# Altium PCB NewBee.PcbDoc (continued)
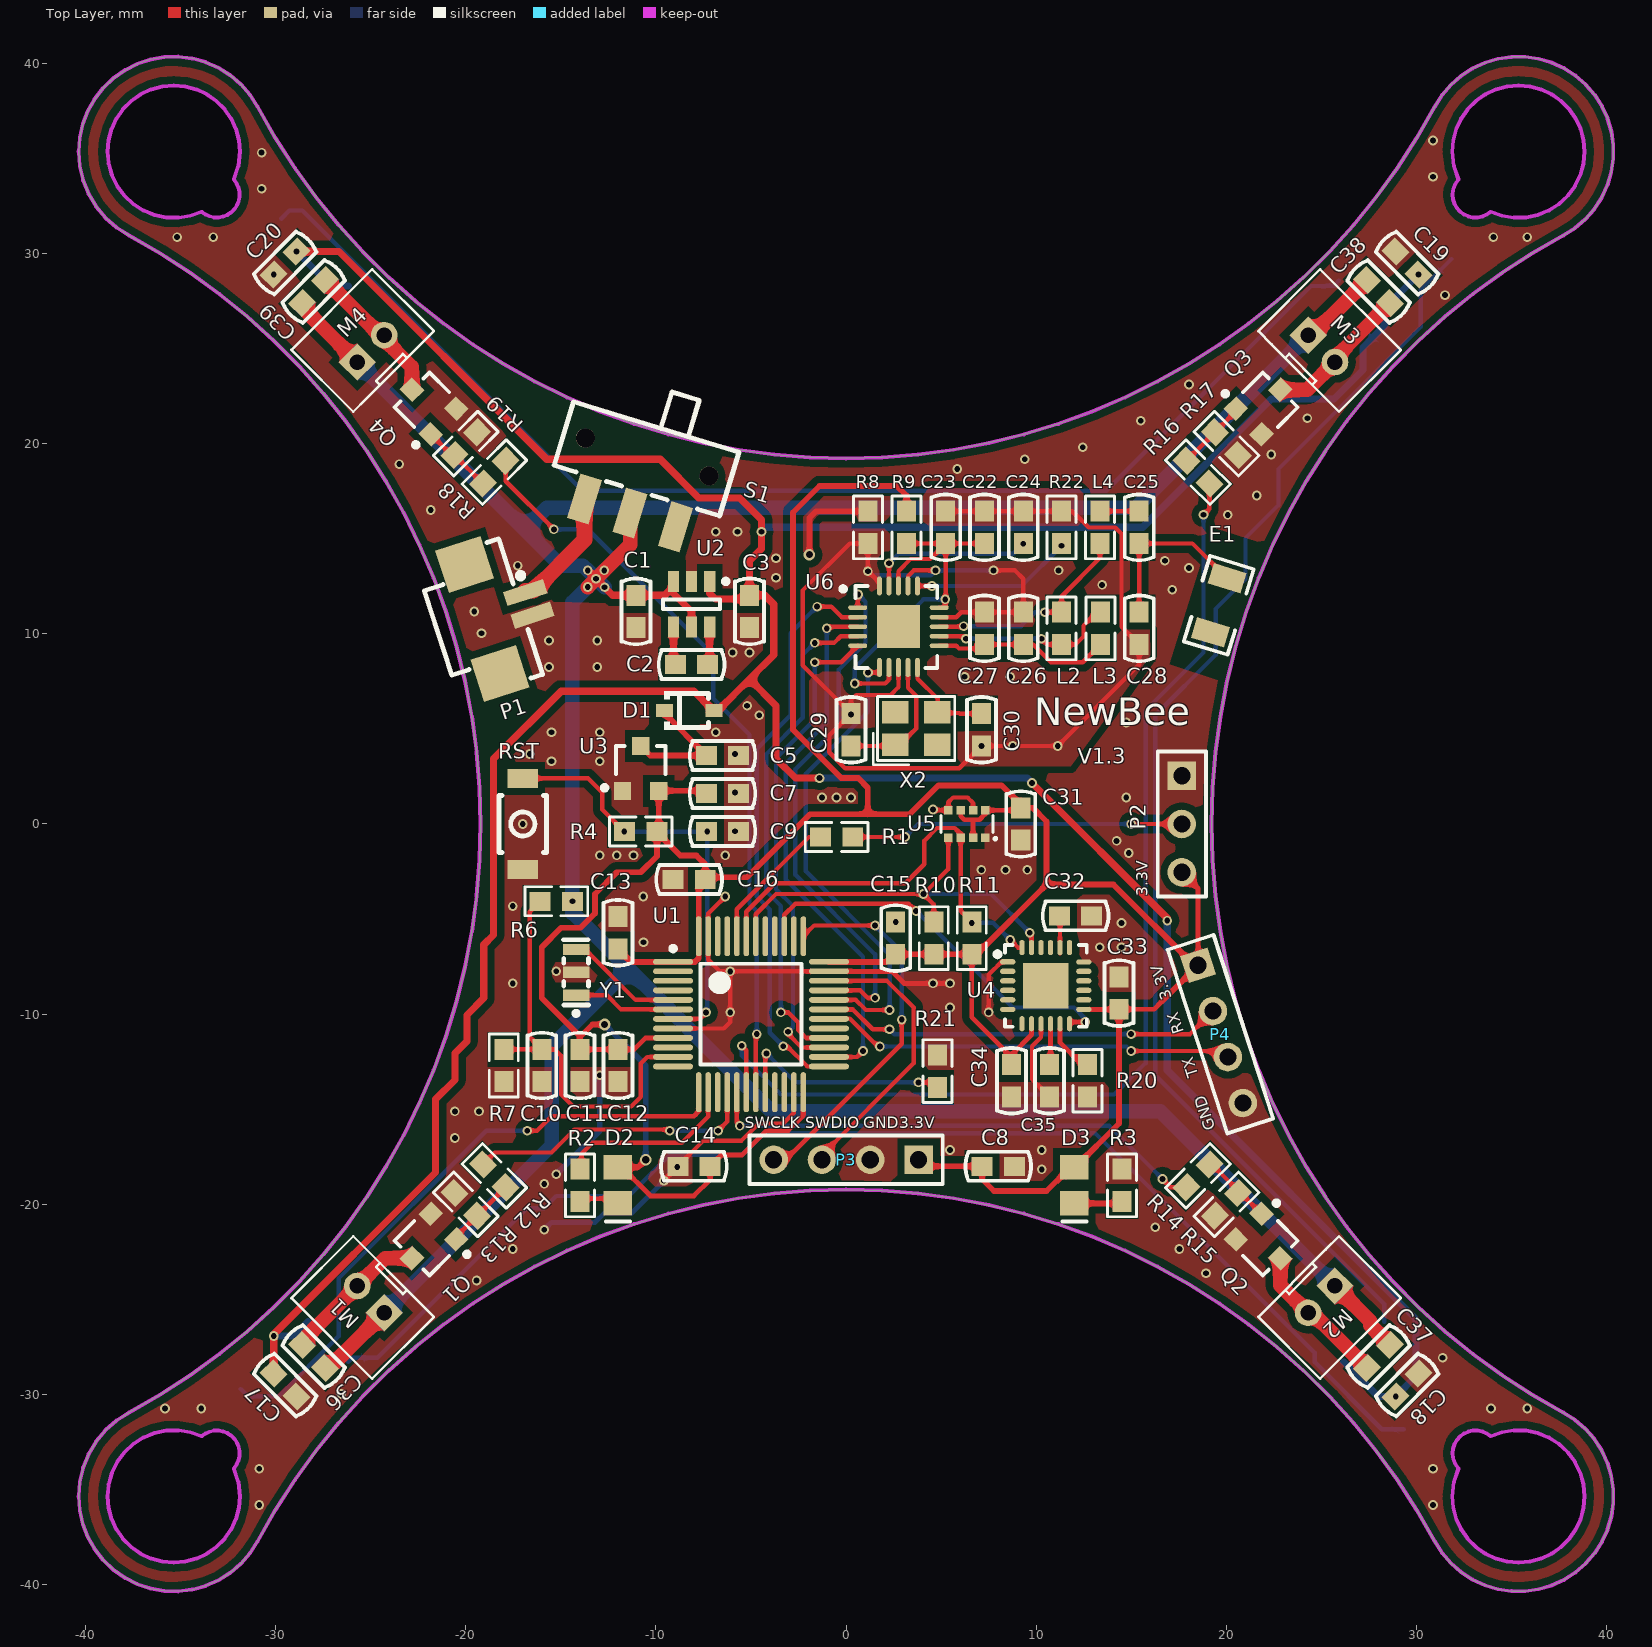
[diagram p0: Top Layer view]
## Part data
C1 C2 C3 C5 C7 C8 C9 C10 C11 C12 C13 C14 C15 C16 C17 C18 C19 C20 C22 C23 C24 C25 C26 C27 C28 C29 C30 C31 C32 C33 C34 C35 C36 C37 C38 C39: library part Cap-S, "贴片瓷片电容"
D1: library part Diode-Schottky, "肖特基二极管"
D2 D3: "发光二极管"
D4 D5 D6 D7: "WS2812B 4脚RGB全彩LED"
E1: "2.4G Antenna"
L2 L3 L4: "电感"
M1 M2 M3 M4: library part "Header 2", "接插件"
P1 P2 P3 P4: "接插件"
Q1 Q2 Q3 Q4: "N沟道贴片"
R1 R2 R3 R4 R6 R7 R8 R9 R10 R11 R12 R13 R14 R15 R16 R17 R18 R19 R20 R21 R22: library part Res1, "贴片电阻"
RST: "微动开关"
S1: library part SW-SPDT, "开关"
U1: "STM32F103, 48引脚, 64Kb Flash, 20Kb SRAM"
U2: library part PW5410A/B, "5V/3.3V升压芯片"
U3: library part XC6206, "稳压芯片"
U5: library part FBM320, "气压计"
U6: library part nRF24L01
X2: library part XTAL-4PIN
Y1: library part XTAL-3PIN, "贴片晶振"

## Via types
v1: diameter 0.508, hole 0.305, Top Layer to Bottom Layer, tented both sides, 182 vias
v2: diameter 0.61, hole 0.381, Top Layer to Bottom Layer, tented both sides, 3 vias

## Nets (pads, with @x,y where several pads share a name; then routed paths per layer and width w, separated by ;. In a path a pad name is that pad's centre, name@x,y a point inside that pad or via, vN(x,y) a via of type N, cw(c..) or ccw(c..) an arc to the next point about the centre after c; other vN are vias at no path point)
3.3V: C7.1 C8.1 C11.2 C12.2 C13.2 C14.1 C15.2 C16.2 C31.2 C33.2 C34.2 D2.1 D3.1 P2.3 P3.1 P4.1 R4.2 R9.2 R10.1 R11.1 U1.1 U1.9 U1.24 U1.36 U1.48 U3.2 U4.8 U4.13 U5.2 U5.6 U5.8 | length 182.4
  Top Layer w0.254: C11.2 C12.2 -11.141,-11.85 -10.541,-11.25 U1.9 ; D2.1 -11.795,-18.05 -10.287,-19.558 -8.001,-19.558 -7.15,-18.707 C14.1 -6.549,-17.399 -5.461,-17.399 -4.204,-16.142 -3.061,-16.142 -2.25,-15.331 U1.24 ; U5.6 6.025,0.419 6.223,0.221 7.016,0.221 7.325,0.53 U5.8 9.059,0.725 C31.2 ; R11.1 6.61,-10.166 8.7,-12.256 C34.2 8.7,-12.128 9.75,-11.078 U4.8@9.75,-10.8 ; U5.2 6.675,0.133 ; U4.13 14.341,-9.75 C33.2 16.193,-9.74 16.586,-9.347 ; P2.3 18.508,-3.395 P4.1
  Top Layer w0.305: v2(-12.7,-10.541) -13.335,-10.541 -14,-11.206 C11.2 -14,-11.146 -16.002,-9.144 -16.002,-6.477 -14.986,-5.461 -13.97,-5.461 -13.208,-4.699 -13.208,-3.683 -12.065,-2.54 -10.795,-2.54 -9.95,-1.695 R4.2@-9.95,-0.425 ; C13.2 -11.315,-7.25 U1.1 -7.94,-7.25 -7.75,-7.06 U1.48 -7.75,-3.2 C16.2@-7.405,-2.855 ; D2.1@-11.795,-18.05 -10.938,-18.05 v2(-10.541,-17.653) ; R4.2 R4.2@-9.95,-0.425 ; C16.2 C16.2@-7.405,-2.855 ; C7.1 -7.496,1.746 U3.2 -9.85,-0.325 R4.2@-9.95,-0.425 ; U1.36 2.109,-7.25 C15.2@2.667,-6.692 ; C15.2 R10.1 R11.1 6.866,-6.85 10.541,-3.175 ; R9.2 3.179,17.268 2.667,17.78 -1.397,17.78 -2.794,16.383 -2.794,4.953 -0.254,2.413 0.635,2.413 1.143,1.905 1.143,0.508 ; P3.1@3.81,-17.5 4.31,-18 C8.1 7.15,-18.673 7.781,-19.304 10.541,-19.304 11.795,-18.05 D3.1 12.049,-18.05 14.351,-15.748 C33.2@14.351,-9.75 ; C31.2 C31.2@9.35,0.85 ; 16.586,-9.347 P4.1 18.304,-7.425 14.054,-3.175 10.541,-3.175 ; R4.2@-9.95,-0.425 -8.724,-1.651 -7.874,-1.651 -7.405,-2.12 C16.2@-7.405,-2.855 ; C16.2@-7.405,-2.855 -7.35,-2.8 -5.213,-2.8 -1.905,0.508 1.143,0.508 ; 1.143,0.508 3.33,0.508 4.854,2.032 8.168,2.032 C31.2@9.35,0.85 ; C31.2@9.35,0.85 9.818,0.85 10.541,0.127 10.541,-3.175
  Bottom Layer w0.305: v2(-12.7,-10.541) -10.541,-12.7 v2(-10.541,-17.653)
5V: C3.2 C17.1 C18.1 C19.1 C20.1 D1.1 D4.1 D5.1 D6.1 D7.1 U2.1 | length 206.9
  Top Layer w0.381: C17.1 -29.972,-28.77 -30.099,-28.643 v1(-30.099,-26.924) -30.099,-26.838 -21.59,-18.329 -21.59,-14.478 -20.57,-13.458 -20.57,-12.061 -19.939,-11.43 -19.939,-10.041 -19.05,-9.152 -19.05,-6.35 -18.542,-5.842 -18.542,3.429 -14.986,6.985 -8.001,6.985 -6.985,5.969 D1.1 ; v1(-28.899,30.101) -26.672,30.101 -15.748,19.177 -9.779,19.177 -7.747,17.145 -5.588,17.145 -4.445,16.002 v1(-4.445,15.367) -4.445,14.478 -5.08,13.843 C3.2 ; U2.1 -7.178,12.131 -6.873,11.826 -5.28,11.826 C3.2 ; D1.1@-6.955,6 -6.7,6 -5.08,7.62 ; v1(-1.397,2.413) -2.667,2.413 -3.683,3.429 -3.683,6.223 -5.08,7.62 ; v1(9.779,2.159) 16.891,-4.953 v1(16.891,-5.08) ; -5.08,7.62 -3.81,8.89 -3.81,11.557 -4.279,12.026 C3.2
  Bottom Layer w0.381: v1(-30.099,-26.924) -29.045,-26.924 D4.1 ; v1(-28.899,30.101) -27.091,28.293 D7.1 ; v1(-4.445,15.367) -4.212,15.6 15.6,15.6 22.352,22.352 25.654,22.352 27.178,23.876 27.178,25.057 D6.1 28.293,27.091 v1(30.101,28.899) ; v1(-1.397,2.413) 9.525,2.413 v1(9.779,2.159) ; v1(16.891,-5.08) 16.891,-12.954 29.972,-26.035 29.972,-29.028 v1(28.899,-30.101) 27.98,-30.101 D5.1
BOOT0: R1.1 U1.44 | length 7.4
  Top Layer w0.229: U1.44 -5.75,-4.48 -1.953,-0.683 R1.1
GND: C1.1 C3.1 C5.2 C7.2 C8.2 C9.2 C10.1 C11.1 C12.1 C13.1 C14.2 C15.1 C16.1 C17.2 C18.2 C19.2 C20.2 C31.1 C32.1 C33.1 C34.1 C35.2 D4.3 D5.3 D6.3 D7.3 P1.2 P2.1 P3.2 P4.4 Q1.2 Q2.2 Q3.2 Q4.2 R3.1 R7.2 R8.2 R13.1 R15.1 R17.1 R19.1 R20.1 R21.2 RST.2 U1.8 U1.23 U1.35 U1.47 U2.2 U3.1 U4.1 U4.9 U4.18 U5.1 U5.5 U5.7 Y1.2 | length 61.5
  Top Layer w0.229: U1.8 -6.432,-10.75 -6.096,-10.414 v1(-6.096,-7.75) ; C14.2 -7.5,-16.65 -5.5,-16.65 -5.08,-16.23 -4.598,-15.748 -3.302,-15.748 -2.75,-15.196 U1.23 ; v1(-6.35,-3.81) -7.25,-4.71 U1.47 -7.25,-7.133 -6.633,-7.75 v1(-6.096,-7.75) ; v1@-6.096,-7.747 v1(-6.096,-7.75) ; v1@-5.969,-7.75 U1.35@-1.09,-7.75 ; v1(4.572,0.762) 4.609,0.725 U5.5 5.375,1.144 5.628,1.397 6.39,1.397 6.675,1.112 U5.7 ; v1(7.493,-9.906) 7.493,-7.922 8.165,-7.25 U4.1 ; U4.9 10.25,-11.213 9.779,-11.684 9.779,-13.429 C35.2
  Top Layer w0.254: v1(-9.574,-18.762) -9.574,-18.724 C14.2 ; U1.35@-1.09,-7.75 U1.35 2.413,-7.75 3.045,-8.382 v1(4.572,-8.382) v1(5.461,-8.382)
  Top Layer w0.305: v2(-1.929,14.166) -1.929,16.105 -1.584,16.45 R8.2
  Bottom Layer w0.254: v1(-15.875,-21.336) -15.494,-20.955 -13.208,-20.955 -12.7,-20.447 -11.259,-20.447 v1(-9.574,-18.762)
  Bottom Layer w0.305: v1(-15.24,-18.415) -12.954,-16.129 v1(-12.954,-13.208)
  other v1: -30.861,-35.814 30.861,-35.814 -30.861,-33.909 30.861,-33.909 -35.814,-30.734 -33.909,-30.734 33.909,-30.734 35.814,-30.734 -26.543,-29.972 31.369,-28.067 -19.431,-24.003 18.923,-23.622 -17.526,-22.352 17.526,-22.352 16.256,-21.209 -15.875,-18.923 10.287,-18.161 -8.884,-18.034 5.461,-17.145 10.287,-17.145 -20.574,-16.51 -20.574,-15.113 -19.304,-15.113 -6.096,-9.906 5.461,-9.652 -17.526,-8.382 -15.24,-7.747 13.335,-6.477 14.478,-6.477 -10.65,-6.223 14.478,-5.207 2.61,-5.15 -17.526,-4.318 -10.668,-3.81 7.112,-2.413 8.382,-2.413 9.525,-2.413 -12.954,-1.651 -12.065,-1.651 -11.176,-1.651 -6.35,-1.651 14.859,-1.524 14.224,-0.889 -5.842,-0.381 -17,0 -1.27,1.397 -0.508,1.397 0.254,1.397 14.732,1.397 -5.842,1.651 -15.494,3.302 -12.954,3.302 -16.637,3.683 -5.842,3.683 -15.494,4.826 -12.954,4.826 -6.858,4.826 14.732,5.334 -4.572,5.715 -5.207,6.223 -15.621,8.255 -13.081,8.255 -5.969,9.017 -5.08,9.017 -15.621,9.652 -13.081,9.652 -19.177,10.033 -19.558,11.176 17.145,12.319 -3.683,12.954 18.034,13.462 -17.272,13.589 16.764,13.843 -3.683,13.97 -6.858,15.367 -5.715,15.367 20.066,16.256 -21.844,16.51 21.59,17.272 5.842,18.669 -23.495,18.923 9.398,19.177 22.352,19.431 12.446,19.812 15.494,21.209 24.257,21.336 18.034,23.114 31.496,27.813 -30.101,28.899 -35.179,30.861 -33.274,30.861 34.036,30.861 35.814,30.861 -30.734,33.401 30.861,34.036 -30.734,35.306 30.861,35.941
INT: U1.39 U4.12 | length 20.7
  Top Layer w0.229: U1.39 -3.25,-4.774 -2.667,-4.191 3.286,-4.191 3.675,-4.58 v1(3.683,-4.572) ; U4.12 11.836,-10.414 v1(12.573,-10.414)
  Bottom Layer w0.229: v1(3.683,-4.572) 8.763,-9.652 11.982,-9.652 12.573,-10.243 v1(12.573,-10.414)
LED: R2.1 U1.14 | length 9.6
  Top Layer w0.229: R2.1 -13.916,-18.066 -13.916,-17.345 -13.335,-16.764 -8.636,-16.764 -7.25,-15.378 U1.14
MISO: U1.27 U6.5 | length 25.9
  Top Layer w0.229: v1(-3.048,-10.922) -3.048,-11.049 -2.347,-11.75 U1.27 ; v1(-1.651,8.509) -0.255,8.509 U6.5
  Bottom Layer w0.229: v1(-3.048,-10.922) -2.794,-10.668 -2.794,-4.318 -3.683,-3.429 -3.683,3.457 -1.651,5.489 v1(-1.651,8.509)
MOSI: U1.28 U6.4 | length 26.5
  Top Layer w0.229: v1(-3.429,-9.906) -3.048,-9.906 -2.527,-10.427 -2.527,-10.833 -2.299,-11.062 -2.111,-11.25 U1.28 ; v1(-1.651,9.525) -0.635,9.525 -0.285,9.875 U6.4
  Bottom Layer w0.229: v1(-3.429,-9.906) -3.429,-4.318 -4.191,-3.556 -4.191,3.683 -2.286,5.588 -2.286,8.89 v1(-1.651,9.525)
NetC2_1: C2.1 U2.6 | length 2
  Top Layer w0.381: C2.1 -7.178,8.482 U2.6
NetC2_2: C2.2 U2.4 | length 2
  Top Layer w0.381: U2.4 -9.078,8.482 C2.2
NetC5_1: C5.1 D1.2 U3.3 | length 6.9
  Top Layer w0.305: U3.3 -10.304,3.6 C5.1 -9.555,5.805 D1.2
NetC24_1: C24.1 U6.19 | length 8.7
  Top Layer w0.229: U6.19 v1(2.254,13.708)
  Bottom Layer w0.229: v1(2.254,13.708) 2.754,14.208 8.792,14.208 v1(9.316,14.732)
NetC25_1: C25.1 C28.2 E1.1 | length 9
  Top Layer w0.229: C28.2 15.411,12.921 C25.1 18.211,14.75 E1.1
NetC25_2: C25.2 L4.2 | length 2.1
  Top Layer w0.229: L4.2 C25.2
NetC26_1: C26.1 C27.1 L3.1 U6.11 | length 9.5
  Top Layer w0.229: U6.11 5.786,9.375 5.936,9.225 6.828,9.225 6.828,9.439 C27.1 C26.1 9.838,9.439 10.775,8.501 12.439,8.501 L3.1
NetC29_2: C29.2 U6.9 X2.1 | length 7.2
  Top Layer w0.229: C29.2 2.766,4.105 3.683,5.021 3.683,6.731 3.254,7.16 U6.9
NetC30_2: C30.2 U6.10 X2.3 | length 5.1
  Top Layer w0.229: U6.10 3.754,7.642 4.825,6.571 4.825,5.839 5.951,5.839 5.986,5.805 C30.2
NetC32_2: C32.2 U4.20 | length 2
  Top Layer w0.229: C32.2 11.25,-4.861 U4.20@11.25,-6.8
NetC35_1: C35.1 U4.10 | length 1.9
  Top Layer w0.254: C35.1 10.75,-12.6 U4.10@10.75,-10.8
NetC36_2: C36.2 M1.2 Q1.3 | length 7.8
  Top Layer w0.762: C36.2 -28.601,-27.187 M1.2 -24.245,-22.831 Q1.3
NetC37_2: C37.2 M2.2 Q2.3 | length 7.8
  Top Layer w0.762: Q2.3 22.831,-24.245 M2.2 24.505,-25.707 C37.2
NetC38_2: C38.2 M3.2 Q3.3 | length 7.8
  Top Layer w0.229: M3.2 M3.2@25.707,24.505
  Top Layer w0.762: Q3.3 24.245,22.831 M3.2 ; M3.2@25.707,24.505 C38.2
NetC39_2: C39.2 M4.2 Q4.3 | length 7.7
  Top Layer w0.762: C39.2 -22.831,24.033 Q4.3
NetD2_2: D2.2 R2.2 | length 2.4
  Top Layer w0.229: R2.2@-14.351,-19.558 -14.351,-19.698 -12.341,-19.698 -12.419,-19.776 D2.2@-12.419,-19.95
NetD3_2: D3.2 R3.2 | length 2.5
  Top Layer w0.305: D3.2 14.4,-19.95 R3.2
NetD4_2: D4.2 D5.4 | length 67.2
  Bottom Layer w0.229: D4.2 -25.946,-28.067 -24.638,-28.067 -16.778,-20.207 -15.889,-20.207 -15.24,-19.558 -11.43,-19.558 -9.271,-17.399 -5.461,-17.399 -4.318,-16.256 13.081,-16.256 24.638,-27.813 24.638,-28.295 28.171,-31.828 D5.4@29.326,-31.828
NetD5_2: D5.2 D6.4 | length 67.3
  Bottom Layer w0.229: D5.2 28.293,-25.245 16.256,-13.208 16.256,5.715 19.431,8.89 19.431,11.303 21.006,12.878 21.006,15.037 22.738,16.769 22.738,18.669 30.226,26.157 30.226,28.105 D6.4
NetD6_2: D6.2 D7.4 | length 66.6
  Bottom Layer w0.229: D7.4 -29.278,32.258 -28.601,32.258 -13.869,17.526 13.683,17.526 24.45,28.293 25.791,28.293 25.791,28.451 D6.2@25.902,28.562
NetL2_1: L2.1 L4.1 U6.13 | length 11.2
  Top Layer w0.229: U6.13 6.149,10.375 v1(6.18,10.406) ; v1(10.451,11.139) L2.1 11.334,11.979 13.352,13.997 L4.1
  Bottom Layer w0.229: v1(6.18,10.406) 9.203,10.406 9.935,11.139 v1(10.451,11.139)
NetL2_2: L2.2 L3.2 U6.12 | length 9.7
  Top Layer w0.229: U6.12 6.178,9.875 v1(6.307,9.746) ; v1(10.267,9.746) 10.574,9.439 L2.2 12.063,9.439 12.482,9.857 12.482,10.432 13.189,11.139 L3.2
  Bottom Layer w0.229: v1(6.307,9.746) v1(10.267,9.746)
NetP1_1: P1.1 S1.1 | length 6.4
  Top Layer w0.813: P1.1@-16.878,12.258 -16.444,12.258 -13.754,14.948 S1.1
NetP2_2: P2.2 R1.2 | length 17.6
  Top Layer w0.229: R1.2 v1(3.096,-0.683) ; v1(14.986,0) P2.2
  Bottom Layer w0.229: v1(3.096,-0.683) 3.779,0 v1(14.986,0)
NetQ1_1: Q1.1 R12.2 R13.2 | length 3.9
  Top Layer w0.229: Q1.1@-20.439,-21.841 Q1.1 -20.497,-21.699 R13.2 R12.2
NetQ2_1: Q2.1 R14.2 R15.2 | length 3.8
  Top Layer w0.229: R14.2 19.242,-17.899 Q2.1
NetQ3_1: Q3.1 R16.2 R17.2 | length 3.8
  Top Layer w0.229: R16.2 20.497,21.699 Q3.1
NetQ4_1: Q4.1 R18.2 R19.2 | length 3.8
  Top Layer w0.229: Q4.1 -20.742,19.399 R19.2 R18.2
NetR20_2: R20.2 U4.11 | length 2.6
  Top Layer w0.254: U4.11@11.25,-10.8 11.25,-11.504 12.396,-12.65 R20.2
NetR21_1: R21.1 U1.20 | length 11.8
  Top Layer w0.229: U1.20 -4.25,-12.124 v1(-4.191,-12.065) ; v1(3.81,-13.589) 4.539,-13.589 R21.1
  Bottom Layer w0.229: v1(-4.191,-12.065) -2.667,-13.589 v1(3.81,-13.589)
NetR22_2: R22.2 U6.16 | length 8.5
  Top Layer w0.229: U6.16 v1(4.517,12.518)
  Bottom Layer w0.229: v1(4.517,12.518) 9.216,12.518 v1(11.334,14.636) v1@11.334,14.646
NetU1_5: U1.5 Y1.3 | length 6.2
  Top Layer w0.229: Y1.3 -13.719,-6.601 -11.07,-9.25 U1.5
NetU1_6: U1.6 Y1.1 | length 5.2
  Top Layer w0.229: Y1.1 -12.591,-8.999 -11.84,-9.75 U1.6@-9.29,-9.75
PWM1: R12.1 U1.16 | length 15.4
  Top Layer w0.229: R12.1 -18.474,-17.272 -15.494,-17.272 -14.287,-16.066 -9.335,-16.066 v1(-9.271,-16.129) ; v1(-6.731,-16.129) -6.25,-15.648 U1.16
  Bottom Layer w0.229: v1(-9.271,-16.129) v1(-6.731,-16.129)
PWM2: R14.1 U1.17 | length 26.7
  Top Layer w0.229: U1.17 -5.75,-15.713 v1(-5.588,-15.875) ; v1(16.637,-18.669) 17.069,-19.101 R14.1
  Bottom Layer w0.229: v1(-5.588,-15.875) 13.843,-15.875 v1(16.637,-18.669)
PWM3: R16.1 U1.18 | length 57.7
  Top Layer w0.229: v1(-5.483,-11.662) -5.25,-11.895 U1.18 ; v1(18.796,16.259) 19.101,16.564 R16.1
  Bottom Layer w0.229: v1(-5.483,-11.662) -5.483,-12.17 -3.429,-14.224 14.097,-14.224 15.748,-12.573 15.748,5.969 18.796,9.017 v1(18.796,16.259)
PWM4: R18.1 U1.19 | length 39.7
  Top Layer w0.229: R18.1 -17.899,18.026 v1(-15.367,15.494) ; U1.19 -4.75,-11.1 v1(-4.699,-11.049)
  Bottom Layer w0.229: v1(-15.367,15.494) -13.589,15.494 -6.985,8.89 -6.985,6.604 -5.08,4.699 -5.08,-4.191 -4.699,-4.572 v1(-4.699,-11.049)
RESET: C9.1 R4.1 RST.1 U1.7 | length 22.8
  Top Layer w0.229: RST.1 -13.576,2.4 -12.827,1.651 -12.827,0.762 v1(-11.665,-0.4) R4.1 ; U1.7 -7.71,-10.25 v1(-7.366,-9.906)
  Bottom Layer w0.229: v1(-11.665,-0.4) v1(-7.3,-0.4) -7.3,-9.84 v1(-7.366,-9.906)
RF_3.3V: C22.2 C23.2 R9.1 U6.7 U6.15 U6.18 | length 21.3
  Top Layer w0.229: v1(0.452,7.392) 2.058,7.392 2.254,7.588 U6.7 ; U6.18 2.754,13.295 3.392,13.933 4.422,13.933 C23.2@5.239,14.75 ; R9.1 C23.2@5.239,14.75 ; U6.15 5.215,11.375 v1(5.215,11.811) 5.239,11.835 C23.2 ; C22.2@7.273,14.75 C23.2
  Bottom Layer w0.229: v1(0.452,7.392) 0.452,8.199 4.064,11.811 v1(5.215,11.811)
RF_CE: U1.33 U6.1 | length 28.1
  Top Layer w0.229: U1.33@-1.09,-8.75 0.749,-8.75 1.143,-9.144 v1(1.524,-9.144) ; U6.1 0.611,12.033 v1(0.643,12.065)
  Bottom Layer w0.229: v1(0.643,12.065) 1.016,11.692 1.016,9.525 -0.381,8.128 -0.381,5.162 -2.667,2.876 -2.667,-2.667 1.524,-6.858 v1(1.524,-9.144)
RF_CSN: U1.25 U6.2 | length 30.2
  Top Layer w0.229: v1(-3.302,-11.684) -3.102,-11.684 -2.036,-12.75 U1.25 ; v1(-1.524,11.43) -0.776,11.43 -0.221,10.875 U6.2
  Bottom Layer w0.229: v1(-3.302,-11.684) -4.014,-10.972 -4.014,-4.495 -4.699,-3.81 -4.699,3.937 -2.921,5.715 -2.921,10.033 v1(-1.524,11.43)
RF_GND: C22.1 C23.1 C24.2 C26.2 C27.2 C28.1 C29.1 C30.1 R8.1 R22.1 U6.8 U6.14 U6.17 U6.20 | length 74.3
  Top Layer w0.229: U6.20 1.754,12.682 v1(1.145,13.291) R8.1 0.186,14.75 -2.286,12.278 -2.286,8.353 C29.1 ; U6.8 2.754,7.199 2.342,6.787 0.529,6.787 0.262,6.52 C29.1 ; U6.17 3.254,13.033 3.556,13.335 v1(4.699,13.335) ; U6.14 5.789,10.875 6.053,11.139 C27.2 C26.2 9.316,12.895 8.877,13.335 v1(7.747,13.335) ; C23.1 11.896,16.45 12.759,15.588 14.156,15.588 14.478,15.265 14.478,10.372 C28.1 15.411,8.383 v1(11.133,4.105) v1(7.12,4.105) 5.949,2.934 -0.053,2.934 -0.889,3.77 -0.889,4.654 C29.1
  Bottom Layer w0.229: v1(1.145,13.291) 1.355,13.081 4.445,13.081 v1(4.699,13.335) v1(7.747,13.335)
  other v1: 8.763,4.105 0.262,5.755 6.223,7.747 8.636,7.747 13.462,12.573 11.176,13.335
RF_IRQ: U1.32 U6.6 | length 25.4
  Top Layer w0.229: U1.32@-1.09,-9.25 0.513,-9.25 1.042,-9.779 v1(2.286,-9.779) ; v1(1.151,7.968) 1.754,7.968 U6.6
  Bottom Layer w0.229: v1(1.151,7.968) 1.151,5.907 -2.113,2.643 -2.113,-2.49 2.286,-6.889 v1(2.286,-9.779)
RGB: D4.4 U1.13 | length 33.2
  Top Layer w0.229: v1(-16.764,-16.129) -16.256,-16.129 -15.494,-15.367 -8.001,-15.367 -7.75,-15.116 U1.13
  Bottom Layer w0.229: D4.4 -31.437,-30.099 -29.845,-30.099 -26.688,-26.942 -26.688,-23.894 -18.923,-16.129 v1(-16.764,-16.129)
RX1: P4.2 U1.31 | length 21.4
  Top Layer w0.229: U1.31@-1.09,-9.75 0.352,-9.75 1.397,-10.795 v1(2.286,-10.795) ; v1(14.986,-11.049) 18.085,-11.049 P4.2
  Bottom Layer w0.229: v1(2.286,-10.795) 2.54,-11.049 v1(14.986,-11.049)
SCK: U1.26 U6.3 | length 28.4
  Top Layer w0.229: v1(-1.016,10.287) -0.928,10.375 U6.3 ; U1.26 0.577,-12.25 v1(0.889,-11.938)
  Bottom Layer w0.229: v1(-1.016,10.287) -1.016,5.334 -3.175,3.175 -3.175,-2.921 0.889,-6.985 v1(0.889,-11.938)
SCL: R10.2 U1.42 U4.23 U5.4 | length 22.9
  Top Layer w0.229: U1.42 -4.75,-4.75 -3.683,-3.683 v1(4.064,-3.683) ; R10.2 4.61,-4.229 v1(4.064,-3.683) ; U5.4 5.375,-2.372 v1(4.064,-3.683) ; v1(9.652,-5.715) 9.75,-5.813 U4.23
  Bottom Layer w0.229: v1(4.064,-3.683) 7.62,-3.683 v1(9.652,-5.715)
SDA: R11.2 U1.43 U4.24 U5.3 | length 23.3
  Top Layer w0.229: U1.43 -5.25,-4.615 -3.747,-3.112 3.111,-3.112 4.104,-2.119 4.104,-0.889 4.782,-0.211 5.712,-0.211 6.025,-0.524 U5.3 6.025,-4.565 R11.2 ; v1(8.636,-6.096) 9.04,-6.5 U4.24
  Bottom Layer w0.229: v1(6.61,-5.2) 7.74,-5.2 v1(8.636,-6.096)
SWCLK: P3.4 U1.37 | length 20.1
  Top Layer w0.229: P3.4 -3.175,-17.653 2.921,-11.557 v1(2.921,-10.287) ; U1.37 -1.684,-5.334 v1(1.524,-5.334)
  Bottom Layer w0.229: v1(1.524,-5.334) 2.921,-6.731 v1(2.921,-10.287)
SWDIO: P3.3 U1.34 | length 15.2
  Top Layer w0.229: P3.3 -1.27,-17.399 3.556,-12.573 3.556,-9.652 2.154,-8.25 U1.34 U1.34@-1.09,-8.25
TX1: P4.3 U1.30 | length 22
  Top Layer w0.229: U1.30@-1.09,-10.25 -1.069,-10.229 0.196,-10.229 1.664,-11.697 v1(1.778,-11.697) ; v1(14.986,-11.938) 19.759,-11.938 P4.3
  Bottom Layer w0.229: v1(1.778,-11.697) 14.745,-11.697 v1(14.986,-11.938)
VBAT: C1.2 C36.1 C37.1 C38.1 C39.1 M1.1 M2.1 M3.1 M4.1 R6.1 S1.2 U2.3 U2.5 | length 183.9
  Top Layer w0.381: v1(-13.589,13.335) v1(-13.152,12.898) v1(-12.7,12.446) -12.28,12.026 C1.2 -9.525,12.026 U2.3@-9.078,12.473 ; U2.3 U2.3@-9.078,12.473 ; U2.5 -8.128,11.176 -9.078,12.126 U2.3@-9.078,12.473
  Top Layer w0.762: C39.1 -28.707,27.293 M4.1 ; C36.1 -27.187,-28.601 M1.1 ; v1(-13.589,12.461) v1(-13.152,12.898) -11.364,14.686 S1.2 ; M3.1 24.505,25.707 C38.1 ; M2.1 27.559,-26.144 27.559,-26.356 C37.1
  Bottom Layer w0.762: M4.1 -15.003,13.589 -13.843,13.589 v1(-13.589,13.335) v1(-13.152,12.898) ; M1.1 -15.491,-16.905 -15.491,-11.681 -11.43,-7.62 ; -16.9,15.485 -15.748,16.637 15.223,16.637 M3.1 ; v1(-12.715,13.335) v1(-13.152,12.898) ; v1(-12.7,12.446) v1(-13.152,12.898) ; M2.1 16.527,-15.113 -3.937,-15.113 -11.43,-7.62 ; v1(-13.152,12.898) v1(-13.589,12.461) -14.39,11.66 v1(-14.39,-4.064) -14.39,-4.699 -14.351,-4.699 -11.43,-7.62
VBAT_T: C10.2 R6.2 R7.1 U1.11 | length 21.7
  Top Layer w0.229: R7.1 C10.2 ; R6.2 -16.637,-4.611 -16.637,-11.213 C10.2 ; U1.11 -10.454,-12.25 -10.795,-12.591 -10.795,-14.351 -11.303,-14.859 -14.351,-14.859 -14.986,-14.224 -14.986,-12.192 -15.328,-11.85 C10.2
pads on no net: D7.2 E1.0 P1.3 P1.4 S1. S1.3 U1.2 U1.3 U1.4 U1.10 U1.12 U1.15 U1.21 U1.22 U1.29 U1.38 U1.40 U1.41 U1.45 U1.46 U4.2 U4.3 U4.4 U4.5 U4.6 U4.7 U4.14 U4.15 U4.16 U4.17 U4.19 U4.21 U4.22 U4.25 U6.0 X2.2 X2.4

## Polygon pours and split planes (outlines as drawn)
GND on Top Layer "Top Layer-No Net" (solid, remove dead copper, pour order 6): -17.145,-26.416 -14.478,-23.749 7.747,-23.749 12.7,-23.749 30.607,-41.656 32.131,-43.18 42.164,-43.18 43.942,-41.402 43.942,-33.147 43.942,-32.639 37.465,-26.162 24.257,-12.954 22.281,6.633 16.998,8.403 19.223,15.595 24.58,13.912 44.45,33.782 44.958,34.29 44.958,42.418 42.926,44.45 42.037,44.45 32.766,44.45 31.242,42.926 16.256,27.94 16.256,27.559 13.335,24.638 2.54,24.638 -11.938,24.638 -13.589,26.289 -30.734,43.434 -31.496,43.434 -39.624,43.434 -40.132,42.926 -43.307,39.751 -43.307,32.512 -43.307,29.718 -24.765,11.176 -24.765,-11.303 -38.862,-25.4 -43.434,-29.972 -43.434,-39.624 -39.37,-43.688 -39.37,-44.069 -31.115,-44.069 -30.48,-44.704
RF_GND on Top Layer "Top Layer-No Net" (solid, remove dead copper, pour order 4): 1.627,17.653 14.15,17.653 15.958,16.247 15.981,8.883 13.97,5.969 11.8,3.048 0.357,3.048 -1.929,5.334 -1.929,15.24 0.484,17.653
GND on Bottom Layer "Top Layer-No Net" (solid, remove dead copper, pour order 8): -17.145,-26.416 -14.478,-23.749 7.747,-23.749 12.7,-23.749 30.607,-41.656 32.131,-43.18 42.164,-43.18 43.942,-41.402 43.942,-33.147 43.942,-32.639 37.465,-26.162 24.257,-12.954 22.281,6.633 16.998,8.403 19.223,15.595 24.58,13.912 44.45,33.782 44.958,34.29 44.958,42.418 42.926,44.45 42.037,44.45 32.766,44.45 31.242,42.926 16.256,27.94 16.256,27.559 13.335,24.638 2.54,24.638 -11.938,24.638 -13.589,26.289 -30.734,43.434 -31.496,43.434 -39.624,43.434 -40.132,42.926 -43.307,39.751 -43.307,32.512 -43.307,29.718 -24.765,11.176 -24.765,-11.303 -38.862,-25.4 -43.434,-29.972 -43.434,-39.624 -39.37,-43.688 -39.37,-44.069 -31.115,-44.069 -30.48,-44.704
RF_GND on Bottom Layer "Top Layer-No Net" (solid, remove dead copper, pour order 2): 1.651,17.653 15.981,17.653 15.981,8.883 13.742,5.655 11.8,3.048 0.381,3.048 -1.905,5.334 -1.905,15.24 0.508,17.653

## Keep-outs
Keep-Out Layer:
  lines w0.203: -40.355,-35.355 -40.296,-34.589 -40.12,-33.84 -39.832,-33.128 -39.437,-32.468 -38.946,-31.876 -38.37,-31.367 -37.723,-30.952 -36.081,-30.011 -34.491,-28.982 -32.959,-27.87 -31.49,-26.677 -30.086,-25.407 -28.754,-24.063 -27.495,-22.648 -26.314,-21.169 -25.215,-19.628 -24.201,-18.029 -23.274,-16.379 -22.437,-14.681 -21.692,-12.941 -21.043,-11.162 -20.49,-9.352 -20.036,-7.514 -19.681,-5.655 -19.427,-3.779 -19.274,-1.892 -19.223,0 -19.274,1.892 -19.427,3.779 -19.681,5.655 -20.036,7.514 -20.49,9.352 -21.043,11.162 -21.692,12.941 -22.437,14.681 -23.274,16.379 -24.201,18.029 -25.215,19.628 -26.314,21.169 -27.495,22.648 -28.754,24.062 -30.086,25.407 -31.49,26.677 -32.959,27.87 -34.491,28.982 -36.081,30.01 -37.723,30.952 -38.37,31.367 -38.946,31.876 -39.437,32.468 -39.832,33.128 -40.12,33.84 -40.296,34.589 -40.355,35.355 -40.301,36.088 -40.14,36.805 -39.876,37.491 -39.514,38.131 -39.062,38.711 -38.53,39.218 -37.93,39.642 -37.274,39.973 -36.576,40.204 -35.852,40.331 -35.118,40.35 -34.388,40.261 -33.679,40.066 -33.007,39.769 -32.385,39.377 -31.828,38.899 -31.346,38.343 -30.952,37.723 -30.01,36.081 -28.982,34.491 -27.87,32.959 -26.677,31.49 -25.407,30.086 -24.062,28.754 -22.648,27.495 -21.169,26.314 -19.628,25.215 -18.029,24.201 -16.379,23.274 -14.681,22.437 -12.941,21.692 -11.162,21.043 -9.352,20.49 -7.514,20.036 -5.655,19.681 -3.779,19.427 -1.892,19.274 0,19.223 1.892,19.274 3.779,19.427 5.655,19.681 7.514,20.036 9.352,20.49 11.162,21.043 12.941,21.692 14.681,22.437 16.379,23.274 18.029,24.201 19.628,25.215 21.169,26.314 22.648,27.495 24.063,28.754 25.407,30.086 26.677,31.49 27.87,32.959 28.982,34.491 30.011,36.081 30.952,37.723 31.335,38.328 31.801,38.871 32.339,39.343 32.939,39.733 33.589,40.033 34.275,40.237 34.984,40.341 35.7,40.343 36.408,40.243 37.096,40.043 37.747,39.746 38.35,39.36 38.891,38.891 39.36,38.35 39.746,37.747 40.043,37.096 40.243,36.408 40.344,35.7 40.342,34.984 40.237,34.276 40.033,33.589 39.733,32.939 39.343,32.339 38.871,31.8 38.328,31.335 37.723,30.952 36.081,30.01 34.491,28.982 32.959,27.87 31.49,26.677 30.086,25.407 28.754,24.062 27.495,22.648 26.314,21.169 25.215,19.628 24.201,18.029 23.274,16.379 22.437,14.681 21.692,12.941 21.043,11.162 20.49,9.352 20.036,7.514 19.681,5.655 19.427,3.779 19.274,1.892 19.223,0 19.274,-1.892 19.427,-3.779 19.681,-5.655 20.036,-7.514 20.49,-9.352 21.043,-11.162 21.692,-12.941 22.437,-14.681 23.274,-16.379 24.201,-18.029 25.215,-19.628 26.314,-21.169 27.495,-22.648 28.754,-24.063 30.086,-25.407 31.49,-26.677 32.959,-27.87 34.491,-28.982 36.081,-30.011 37.723,-30.952 38.328,-31.335 38.871,-31.801 39.343,-32.339 39.733,-32.939 40.033,-33.589 40.237,-34.275 40.342,-34.984 40.344,-35.7 40.243,-36.408 40.043,-37.096 39.746,-37.747 39.36,-38.35 38.891,-38.891 38.35,-39.36 37.747,-39.746 37.096,-40.043 36.408,-40.243 35.7,-40.343 34.984,-40.342 34.275,-40.237 33.589,-40.033 32.939,-39.733 32.339,-39.343 31.801,-38.871 31.335,-38.328 30.952,-37.723 30.011,-36.081 28.982,-34.491 27.87,-32.959 26.677,-31.49 25.407,-30.086 24.063,-28.754 22.648,-27.495 21.169,-26.314 19.628,-25.215 18.029,-24.201 16.379,-23.274 14.681,-22.437 12.941,-21.692 11.162,-21.043 9.352,-20.49 7.514,-20.036 5.655,-19.681 3.779,-19.427 1.892,-19.274 0,-19.223 -1.892,-19.274 -3.779,-19.427 -5.655,-19.681 -7.514,-20.036 -9.352,-20.49 -11.162,-21.043 -12.941,-21.692 -14.681,-22.437 -16.379,-23.274 -18.029,-24.201 -19.628,-25.215 -21.169,-26.314 -22.648,-27.495 -24.062,-28.754 -25.407,-30.086 -26.677,-31.49 -27.87,-32.959 -28.982,-34.491 -30.01,-36.081 -30.952,-37.723 -31.346,-38.343 -31.828,-38.899 -32.385,-39.377 -33.007,-39.769 -33.679,-40.066 -34.388,-40.261 -35.118,-40.35 -35.852,-40.331 -36.576,-40.204 -37.274,-39.973 -37.93,-39.642 -38.53,-39.218 -39.062,-38.711 -39.514,-38.131 -39.876,-37.491 -40.14,-36.805 -40.301,-36.088 -40.355,-35.355 ; -38.835,-35.355 -38.778,-34.725 -38.607,-34.115 -38.328,-33.546 -37.951,-33.037 -37.488,-32.605 -36.954,-32.264 -36.367,-32.026 -35.747,-31.897 -35.114,-31.884 -34.489,-31.985 -33.892,-32.198 -33.696,-32.056 -33.476,-31.956 -33.24,-31.902 -32.998,-31.896 -32.76,-31.939 -32.536,-32.03 -32.334,-32.163 -32.163,-32.334 -32.03,-32.536 -31.939,-32.76 -31.896,-32.998 -31.902,-33.24 -31.956,-33.476 -32.056,-33.697 -32.198,-33.892 -31.957,-34.606 -31.875,-35.355 -31.928,-35.96 -32.085,-36.546 -32.342,-37.095 -32.689,-37.592 -33.118,-38.021 -33.615,-38.369 -34.165,-38.625 -34.751,-38.782 -35.355,-38.835 -35.96,-38.782 -36.546,-38.625 -37.095,-38.369 -37.592,-38.021 -38.021,-37.592 -38.369,-37.095 -38.625,-36.546 -38.782,-35.96 -38.835,-35.355 ; -38.835,35.355 -38.778,34.725 -38.607,34.115 -38.328,33.546 -37.951,33.037 -37.488,32.605 -36.954,32.264 -36.367,32.026 -35.747,31.897 -35.114,31.884 -34.489,31.985 -33.892,32.198 -33.696,32.056 -33.476,31.956 -33.24,31.902 -32.998,31.896 -32.76,31.939 -32.536,32.03 -32.334,32.163 -32.163,32.334 -32.03,32.536 -31.939,32.76 -31.896,32.998 -31.902,33.24 -31.956,33.476 -32.056,33.696 -32.198,33.892 -31.957,34.606 -31.875,35.355 -31.928,35.96 -32.085,36.546 -32.342,37.095 -32.689,37.592 -33.118,38.021 -33.615,38.369 -34.165,38.625 -34.751,38.782 -35.355,38.835 -35.96,38.782 -36.546,38.625 -37.095,38.369 -37.592,38.021 -38.021,37.592 -38.369,37.095 -38.625,36.546 -38.782,35.96 -38.835,35.355 ; 31.875,-35.355 31.957,-34.606 32.198,-33.892 32.032,-33.653 31.928,-33.381 31.893,-33.093 31.919,-32.843 31.996,-32.605 32.121,-32.388 32.288,-32.202 32.491,-32.054 32.719,-31.952 32.964,-31.899 33.215,-31.899 33.46,-31.95 33.689,-32.051 33.892,-32.198 34.489,-31.985 35.114,-31.884 35.747,-31.897 36.367,-32.026 36.954,-32.264 37.488,-32.605 37.951,-33.037 38.328,-33.546 38.607,-34.115 38.778,-34.725 38.835,-35.355 38.782,-35.96 38.625,-36.546 38.369,-37.095 38.021,-37.592 37.592,-38.021 37.095,-38.369 36.546,-38.625 35.96,-38.782 35.355,-38.835 34.751,-38.782 34.165,-38.625 33.615,-38.369 33.118,-38.021 32.69,-37.592 32.342,-37.095 32.085,-36.546 31.928,-35.96 31.875,-35.355 ; 31.875,35.355 31.957,34.606 32.198,33.892 32.032,33.653 31.928,33.381 31.893,33.093 31.919,32.844 31.996,32.605 32.121,32.388 32.288,32.202 32.491,32.054 32.719,31.952 32.964,31.899 33.215,31.899 33.46,31.95 33.689,32.051 33.892,32.198 34.489,31.985 35.114,31.884 35.747,31.897 36.367,32.026 36.954,32.264 37.488,32.605 37.951,33.037 38.328,33.546 38.607,34.115 38.778,34.725 38.835,35.355 38.782,35.96 38.625,36.546 38.369,37.095 38.021,37.592 37.592,38.021 37.095,38.369 36.546,38.625 35.96,38.782 35.355,38.835 34.751,38.782 34.165,38.625 33.615,38.369 33.118,38.021 32.69,37.592 32.342,37.095 32.085,36.546 31.928,35.96 31.875,35.355

## Other copper
Top Layer:
  pour cut-out: -14.62,12.959 -14.513,12.959 -13.963,12.58 -12.603,11.593 -14.39,11.66 -15.361,11.66 -15.496,11.795 -15.343,11.948 -15.343,12.236

## Silkscreen, mask and mechanical layers (free items; w line width, h text height)
Top Overlay:
  text "NewBee" at 9.906,4.699 h2.5
  text "V1.3" at 12.192,3.175 h0.8
  text "3.3V" at 15.875,-3.81 h0.6 r90
  text "3.3V" at 17.145,-9.144 h0.6 r108
  text "RX" at 17.78,-10.922 h0.6 r108
  text "TX" at 18.542,-13.208 h0.6 r108
  text "SWCLK" at -5.334,-16.002 h0.6
  text "SWDIO" at -2.159,-16.002 h0.6
  text "GND" at 0.889,-16.002 h0.6
  text "3.3V" at 2.794,-16.002 h0.6
  text "GND" at 19.431,-16.002 h0.6 r108